# Altium PCB Beethoven-Clock_Brain-PCB.PcbDoc (part 1 of 2)
Units mm, origin at the board's own origin, x right, y up, seen from the top; angles counter-clockwise.
Board outline 45 x 115 mm, 4 copper layers (Top Layer, Mid 1 - GND, Mid 2 - PWR, Bottom Layer), stack 1.612 mm thick; 137 components, 77 nets, 403 pads, 213 vias.
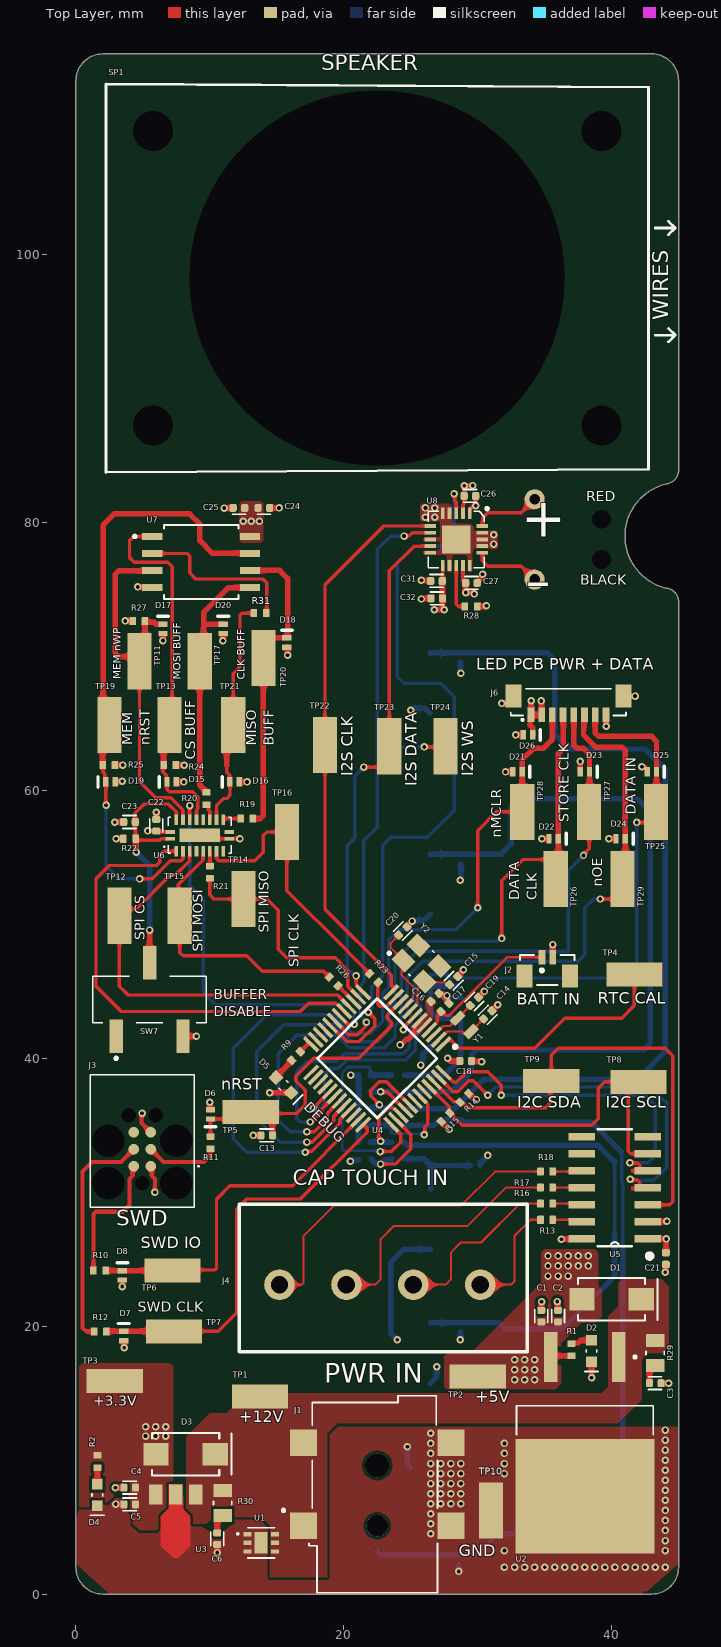
[diagram p0: Top Layer view]
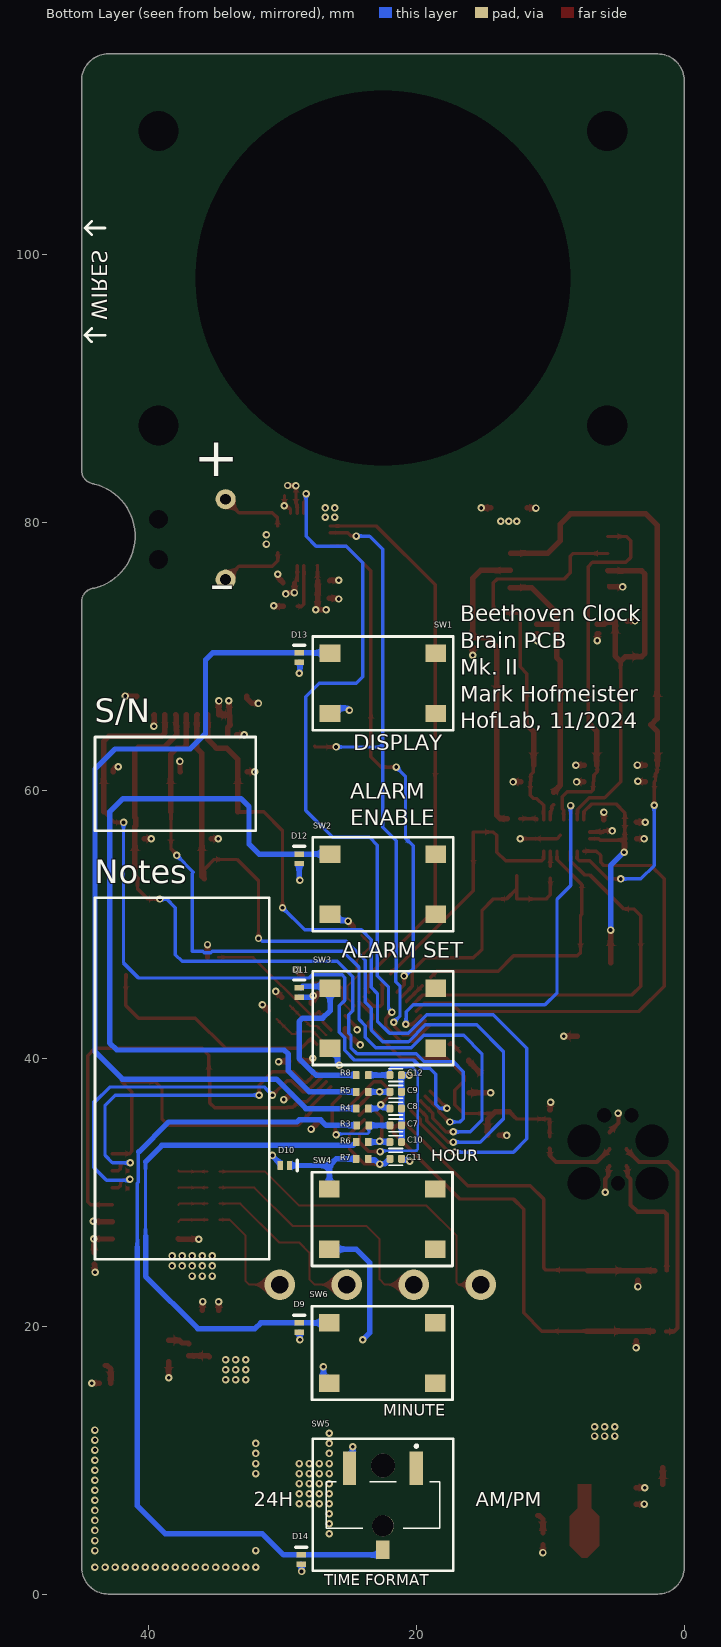
[diagram p1: Bottom Layer view, seen from below]
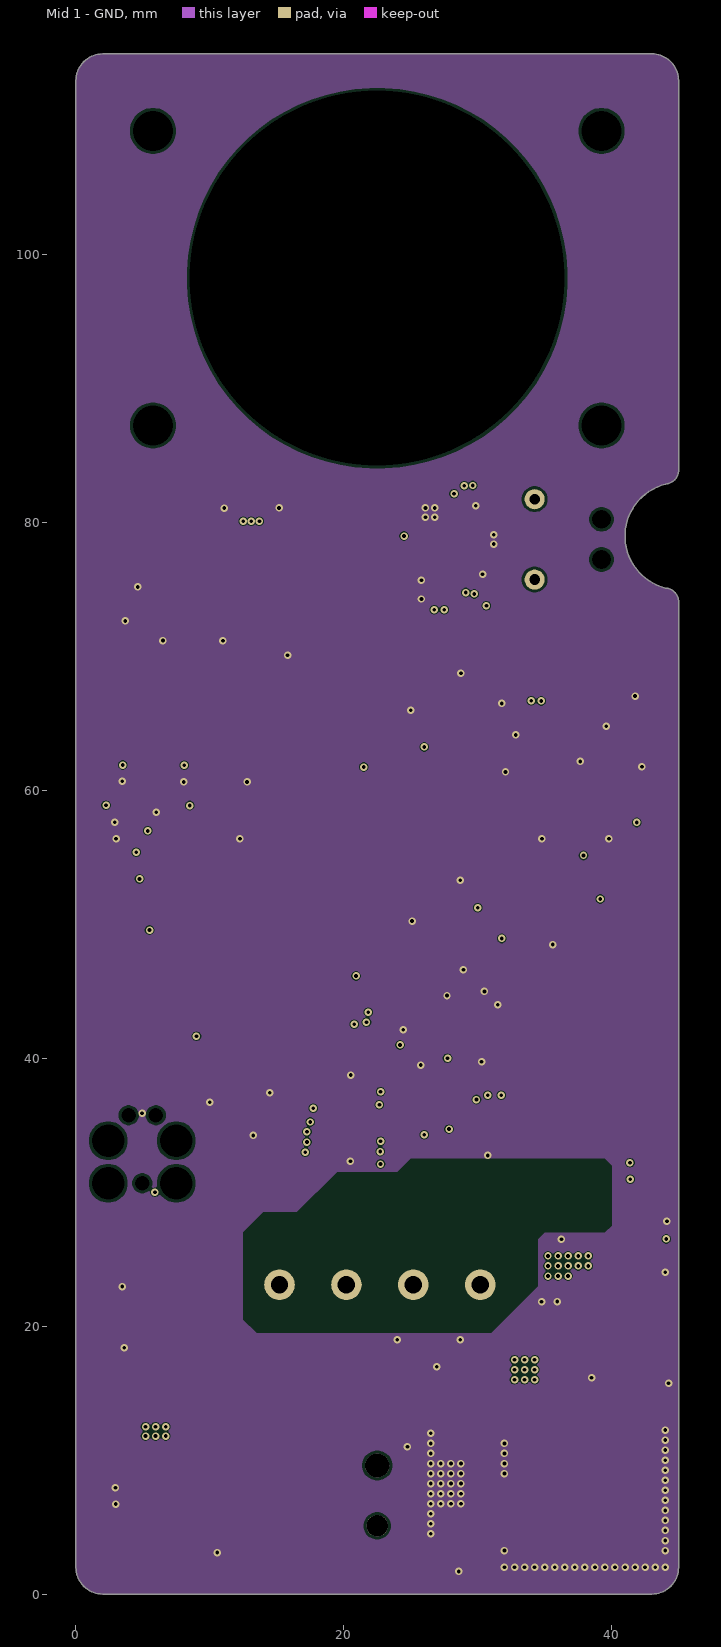
[diagram p2: Mid 1 - GND]
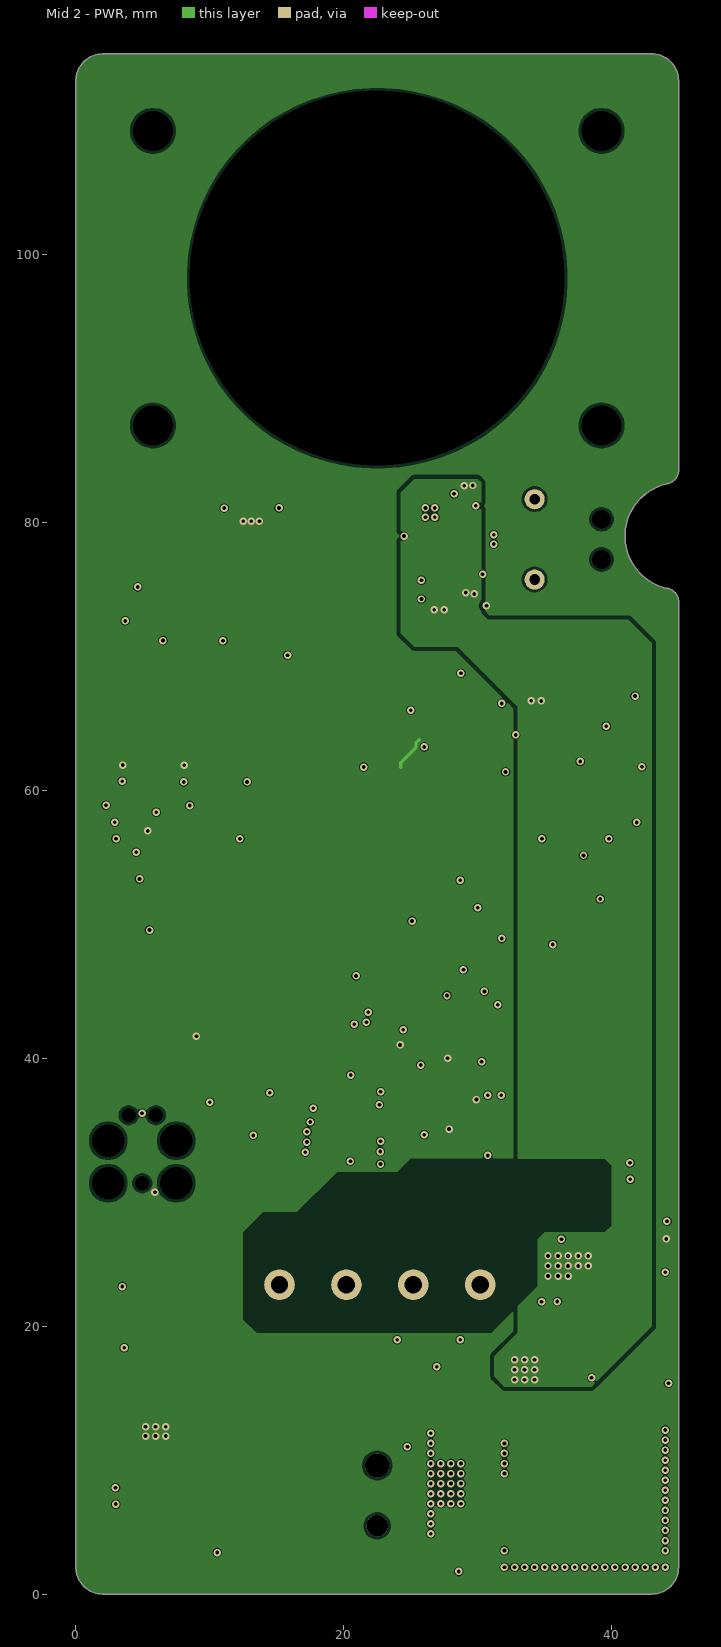
[diagram p3: Mid 2 - PWR]
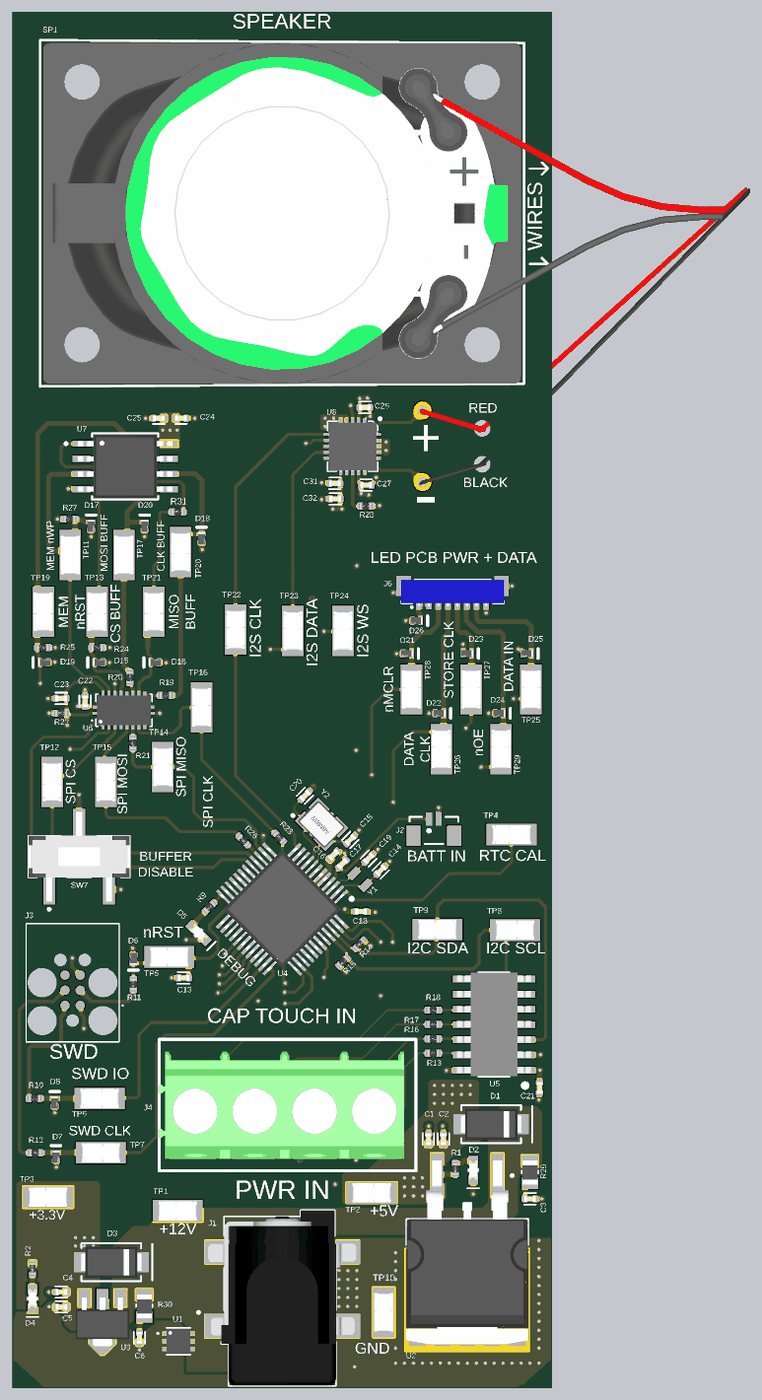
[diagram p5: 3D render of the assembled board from above, using the file's embedded part models]
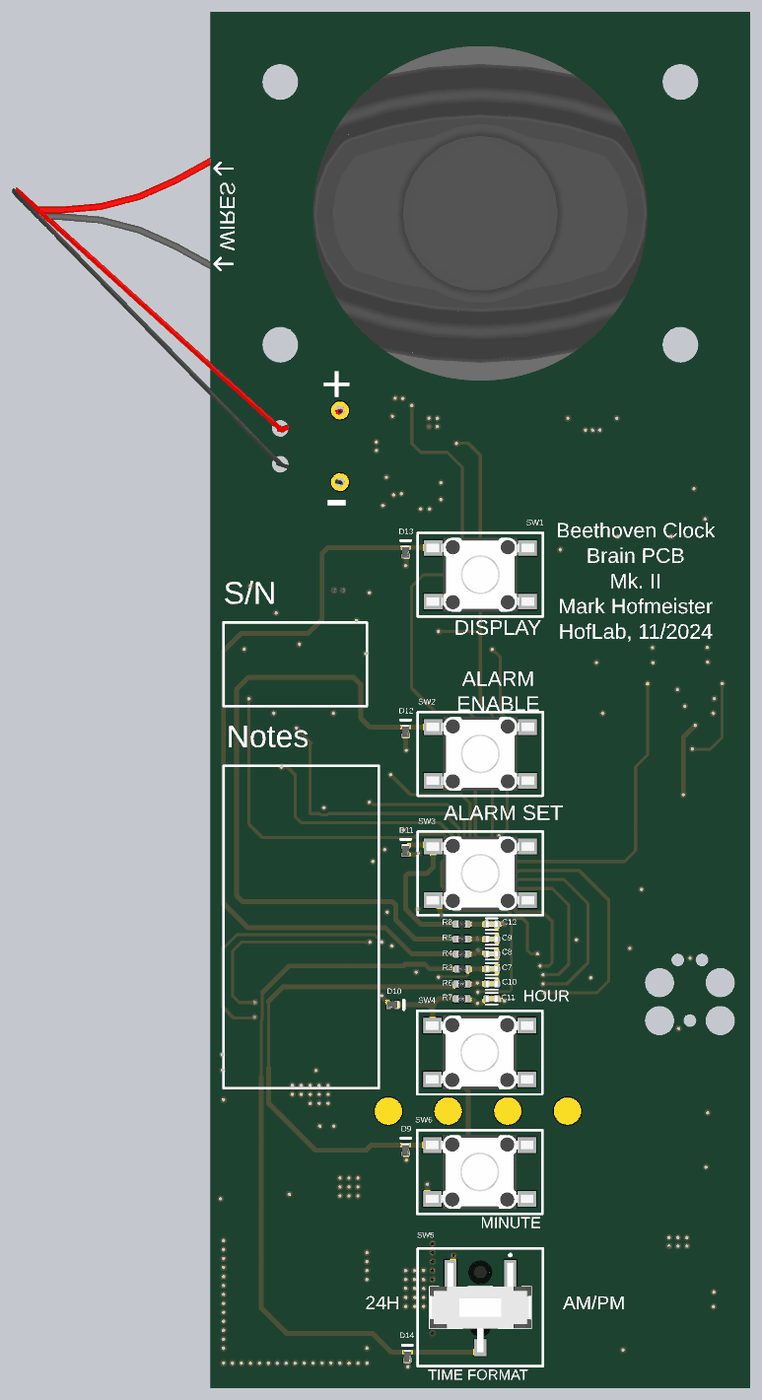
[diagram p6: 3D render of the assembled board from below, using the file's embedded part models]

## Layer stack, top to bottom
Top Solder: solder mask 0.0102, Solder Resist, Dk 3.5
Top Layer: signal copper 0.0356
Dielectric 2: prepreg 0.1855, PP-006, Dk 4.1
Mid 1 - GND: signal copper 0.035
Dielectric 1: dielectric 1.1, FR-4, Dk 4.8
Mid 2 - PWR: signal copper 0.035
Dielectric 3: prepreg 0.1855, PP-006, Dk 4.1
Bottom Layer: signal copper 0.0356
Bottom Solder: solder mask 0.0102, Solder Resist, Dk 3.5

## Board outline
0,2 0,113 cw(c2,113) 2,115 43,115 cw(c43,113) 45,113 45,84 cw(c43.955,83.925) 44.03,82.881 ccw(c45,79) 44.03,75.119 cw(c43.955,74.075) 45,74 45,2 cw(c43,2) 43,0 2,0 cw(c2,2)

## Design rules (kind name [scope] priority, off if disabled: settings)
Clearance Power [InNetClass('PWR') vs InNetClass('PWR')] p1: gap=0.305 ignorepadtopadclearanceinfootprint=FALSE except(0: Arc-Hole Track-Hole SMDPad-Hole THPad-Hole Via-Hole Fill-Hole Poly-Hole Region-Hole Text-Hole)
Clearance [All] p2: gap=0.203 ignorepadtopadclearanceinfootprint=FALSE except(0: Arc-Hole Track-Hole SMDPad-Hole THPad-Hole Via-Hole Fill-Hole Poly-Hole Region-Hole Text-Hole; 0.22: SMDPad-SMDPad)
Height [All] p1 off: minheight=0 maxheight=25.4 prefheight=12.7
HoleSize [All] p1: absolutevalues=TRUE maxlimit=30 minlimit=0.152 maxpercent=80.000 minpercent=20.000
MinimumSolderMaskSliver [All] p1: minsoldermaskwidth=0.1
PolygonConnect "Direct Connect - MCU VCC" [InNet('VCC') vs InComponentClass('U_MCU')] p1: connectstyle=Direct reliefconductorwidth=0.254 reliefentries=4 polygonreliefangle="90 Angle" airgapwidth=0.254
PolygonConnect "Direct Connect - MEM VCC" [InComponentClass('U_flash-memory') vs InNet('VCC')] p2: connectstyle=Direct reliefconductorwidth=0.254 reliefentries=4 polygonreliefangle="90 Angle" airgapwidth=0.254
PolygonConnect "Direct Connect - Amp GND" [InNet('GND') vs HasFootprint('20-WFQFN-EP')] p3: connectstyle=Direct reliefconductorwidth=0.254 reliefentries=4 polygonreliefangle="90 Angle" airgapwidth=0.254
PolygonConnect "Direct Connect - Vias" [All vs IsVia] p4: connectstyle=Direct reliefconductorwidth=0.254 reliefentries=4 polygonreliefangle="90 Angle" airgapwidth=0.254
PolygonConnect "Direct Connect - PWR Section" [InComponentClass('U_3.3V-Regulator') or InComponentClass('U_5V-Regulator') or InComponentClass('U_Power-Input')] p5: connectstyle=Direct reliefconductorwidth=0.254 reliefentries=4 polygonreliefangle="90 Angle" airgapwidth=0.254
PolygonConnect [All] p6: connectstyle=Relief reliefconductorwidth=0.254 reliefentries=4 polygonreliefangle="90 Angle" airgapwidth=0.254
RoomDefinition U_cap-touch [InComponentClass('U_cap-touch')] p1: confinementstyle=ConfineIn formatcopy=TRUE lockcomponents=FALSE outline 11.819,17.719 11.819,29.481 26.145,29.481 26.145,37.055 27.545,37.055 27.545,38.51 32.871,38.51 32.871,39.629 38.129,39.629 38.129,39.579 44.629,39.579 44.629,26.179 44.869,26.179 44.869,23.921 34.081,23.921 34.081,17.719
RoomDefinition U_LED-PCB_Connector [InComponentClass('U_LED-PCB_Connector')] p2: confinementstyle=ConfineIn formatcopy=TRUE lockcomponents=FALSE outline 31.7,50.7 44.7,50.7 44.7,68.3 31.7,68.3
RoomDefinition U_SWD [InComponentClass('U_SWD')] p3: confinementstyle=ConfineIn formatcopy=TRUE lockcomponents=FALSE outline -0.25,27.592 -0.25,40.1 10.158,40.1 10.158,37.329 15.679,37.329 15.679,34.671 10.905,34.671 10.905,34.32 10.879,34.32 10.879,32.476 10.158,32.476 10.158,27.592 9.949,27.592 9.949,18.274 4.425,18.274 4.425,18.223 2.715,18.223 2.715,18.774 0.591,18.774 0.591,23.324 0.536,23.324 0.536,27.592
RoomDefinition U_isolation-buffers [InComponentClass('U_isolation-buffers')] p4: confinementstyle=ConfineIn formatcopy=TRUE lockcomponents=FALSE outline 0.446,39.221 0.446,49.079 1.171,49.079 1.171,67.529 3.421,67.529 3.421,72.279 7.921,72.279 12.671,72.279 12.671,72.529 15.329,72.529 15.329,59.529 17.079,59.529 17.079,54.271 13.829,54.271 13.829,49.271 10.554,49.271 10.554,39.221
RoomDefinition U_Amplifier [InComponentClass('U_Amplifier')] p5: confinementstyle=ConfineIn formatcopy=TRUE lockcomponents=FALSE outline 2.246,74.644 2.246,112.754 61.949,112.754 61.949,74.644 30.729,74.644 30.729,72.921 28.929,72.921 28.929,60.671 22.071,60.671 22.071,60.771 17.271,60.771 17.271,74.644
RoomDefinition U_MCU [InComponentClass('U_MCU')] p6 off: confinementstyle=ConfineIn formatcopy=TRUE lockcomponents=FALSE outline 13.871,36.291 13.871,40.129 14.716,40.129 14.716,47.784 22.33,47.784 22.33,50.093 23.027,50.093 23.027,50.881 25.782,50.881 25.782,50.093 28.793,50.093 28.793,47.784 30.284,47.784 30.284,45.627 31.127,45.627 31.127,44.929 37.551,44.929 37.551,39.579 37.629,39.579 37.629,36.921 30.284,36.921 30.284,32.216 25.229,32.216 25.229,31.671 16.229,31.671 16.229,31.431 13.971,31.431 13.971,36.291
RoomDefinition U_TUI [InComponentClass('U_TUI')] p7: confinementstyle=ConfineIn formatcopy=TRUE lockcomponents=FALSE outline 16.896,39.146 16.896,71.854 28.104,71.854 28.104,71.43 29.605,71.43 29.605,32.855 30.88,32.855 30.88,31.145 29.605,31.145 29.605,18.845 29.455,18.845 29.455,1.52 27.745,1.52 27.745,1.971 17.446,1.971 17.446,14.146 16.946,14.146 16.946,39.146
RoomDefinition U_5V-Regulator [InComponentClass('U_5V-Regulator')] p8: confinementstyle=ConfineIn formatcopy=TRUE lockcomponents=FALSE outline 27.371,14.921 27.371,17.579 32.286,17.579 32.286,20.104 33.931,20.104 33.931,21.879 36.596,21.879 36.596,23.918 43.759,23.918 43.759,19.944 44.469,19.944 44.469,16.056 44.379,16.056 44.379,14.931 43.714,14.931 43.714,2.486 32.286,2.486 32.286,14.921
RoomDefinition U_3.3V-Regulator [InComponentClass('U_3.3V-Regulator')] p9: confinementstyle=ConfineIn formatcopy=TRUE lockcomponents=FALSE outline 0.271,14.571 0.271,17.229 5.529,17.229 5.529,12.368 11.959,12.368 11.959,8.744 12.169,8.744 12.169,4.856 11.369,4.856 11.369,3.001 10.229,3.001 10.229,2.171 4.671,2.171 4.671,5.558 0.671,5.558 0.671,14.571
RoomDefinition U_Power-Input [InComponentClass('U_Power-Input')] p10: confinementstyle=ConfineIn formatcopy=TRUE lockcomponents=FALSE outline 11.121,13.421 11.121,16.079 16.379,16.079 16.379,15.329 29.529,15.329 29.529,8.879 32.329,8.879 32.329,3.621 29.529,3.621 29.529,-0.429 14.796,-0.429 14.796,2.299 11.71,2.299 11.71,13.421
RoomDefinition U_flash-memory [InComponentClass('U_flash-memory')] p11: confinementstyle=ConfineIn formatcopy=TRUE lockcomponents=FALSE outline 1.07,59.795 1.07,61.505 1.226,61.505 1.226,62.729 3.471,62.729 3.471,73.479 3.945,73.479 3.945,80.164 11.041,80.164 11.041,81.919 15.159,81.919 15.159,72.555 16.605,72.555 16.605,69.995 12.905,69.995 12.905,59.795 10.345,59.795
RoutingVias [All] p1: holewidth=0.279 width=0.559 viastyle="Through Hole" minholewidth=0.203 minwidth=0.406 maxholewidth=0.711 maxwidth=1.27
SilkToSolderMaskClearance [IsPad] p1: minsilkscreentomaskgap=0.1 clearancetoexposedcopper=TRUE
SolderMaskExpansion Vias [IsVia] p1: expansion=0.102 istentingtop=TRUE useseparateexpansions=TRUE expansionbottom=0.102 istentingbottom=TRUE
SolderMaskExpansion Expansion [All] p2: expansion=0.102 istentingtop=FALSE
UnRoutedNet [All] p1: checkbadconnections=TRUE
Width [All] p1: maxlimit=0.407 minlimit=0.152 preferedwidth=0.254 midlayer1_minwidth=0.254 midlayer1_maxwidth=0.254 midlayer2_minwidth=0.254 midlayer2_maxwidth=0.254 minimp=50.000000 maximp=50.000000 favimp=50.000000
25 further rules are at their usual default settings.

## Classes and differential pairs
net class PWR: +5 +12 VCC
component class U_TUI: D9 D10 D11 D12 D13 D14 SW1 SW2 SW3 SW4 SW5 SW6
component class U_SWD: D6 D7 D8 J3 R10 R11 R12 TP5 TP6 TP7
component class U_Power-Input: J1 TP1 TP10 U1
component class U_MCU: C7 C8 C9 C10 C11 C12 C13 C14 C15 C16 C17 C18 C19 C20 D5 J2 R3 R4 R5 R6 R7 R8 R9 R23 R26 TP4 U4 Y1 Y2
component class U_LED-PCB_Connector: D21 D22 D23 D24 D25 D26 J6 TP25 TP26 TP27 TP28 TP29
component class U_isolation-buffers: C22 C23 R19 R20 R21 R22 SW7 TP11 TP12 TP13 TP14 TP15 TP16 TP17 TP19 TP20 TP21 U6
component class U_flash-memory: C24 C25 D15 D16 D17 D18 D19 D20 R24 R25 R27 R31 U7
component class U_cap-touch: C21 J4 R13 R14 R15 R16 R17 R18 TP8 TP9 U5
component class U_Amplifier: C26 C27 C31 C32 R28 SP1 TP22 TP23 TP24 U8
component class U_5V-Regulator: C1 C2 C3 D1 D2 R1 R29 TP2 U2
component class U_3.3V-Regulator: C4 C5 C6 D3 D4 R2 R30 TP3 U3

## Components (designator, comment, footprint, x,y, rotation, side; value= is the part's Value field where it differs from the comment)
C1 "CAP" 0402C 34.75,20.75 r270 top value=1uF
C2 "CAP" 0402C 36,20.75 r270 top value=1uF
C3 "CAP" 0402C 43.25,15.75 r180 top value=1uF
C4 "CAP" 0402C 4.02,7.95 r0 top value=1uF
C5 "CAP" 0402C 4.02,6.7 r0 top value=1uF
C6 "CAP" 0402C 10.55,4.13 r90 top value=1uF
C7 "CAP" 0402C 21.545,35 r0 bottom value=0.1uF
C8 "CAP" 0402C 21.545,36.25 r0 bottom value=0.1uF
C9 "CAP" 0402C 21.545,37.5 r0 bottom value=0.1uF
C10 "CAP" 0402C 21.545,33.75 r0 bottom value=0.1uF
C11 "CAP" 0402C 21.545,32.5 r0 bottom value=0.1uF
C12 "CAP" 0402C 21.545,38.75 r0 bottom value=0.1uF
C13 "CAP" 0402C 14.25,34.25 r0 top value=0.1uF
C14 "CAP" 0402C 30.75,43.25 r225 top value=4pF
C15 "CAP" 0402C 28.204,45.804 r225 top value=4pF
C16 "CAP" 0402C 26.804,44.554 r225 top value=0.1uF
C17 "CAP" 0402C 27.554,43.804 r225 top value=0.1uF
C18 "CAP" 0402C 29.1,39.8 r180 top value=4.7uF
C19 "CAP" 0402C 29.75,44.25 r225 top value=4pF
C20 "CAP" 0402C 24.404,49.504 r225 top value=4pF
C21 "CAP" 0402C 44.05,25.05 r90 top value=0.1uF
C22 "CAP" 0402C 6,57.4 r90 top value=0.1uF
C23 "CAP" 0402C 4,57.65 r0 top value=0.1uF
C24 "CAP" 0402C 14.03,81.1 r180 top value=0.1uF
C25 "CAP" 0402C 12.17,81.1 r0 top value=4.7uF
C26 "CAP" 0402C 29.42,82 r180 top value=0.1uF
C27 "CAP" 0402C 29.53,75.5 r180 top value=4.7uF
C31 "CAP" 0402C 26.92,75.65 r0 top value=0.1uF
C32 "CAP" 0402C 26.95,74.35 r0 top value=4.7uF
D1 "DIODE" DO-214AC 40,22 r180 top
D2 "LED - single" "LED - 0603" 38.5,18.15 r270 top
D3 "DIODE" DO-214AC 8.2,10.45 r180 top
D4 "LED - single" "LED - 0603" 1.6,7.4 r270 top
D5 "LED - single" "LED - 0603" 15.5,38 r315 top
D6 "DESD3V3E1BL-7B" 0402-TVS 10.05,35.5 r90 top
D7 "DESD3V3E1BL-7B" 0402-TVS 3.57,19.603 r270 top
D8 "DESD3V3E1BL-7B" 0402-TVS 3.47,24.128 r270 top
D9 "DESD3V3E1BL-7B" 0402-TVS 28.75,20.225 r270 bottom
D10 "DESD3V3E1BL-7B" 0402-TVS 29.5,32 r0 bottom
D11 "DESD3V3E1BL-7B" 0402-TVS 28.75,45.25 r270 bottom
D12 "DESD3V3E1BL-7B" 0402-TVS 28.75,55.225 r270 bottom
D13 "DESD3V3E1BL-7B" 0402-TVS 28.75,70.25 r270 bottom
D14 "DESD3V3E1BL-7B" 0402-TVS 28.6,2.9 r270 bottom
D15 "DESD3V3E1BL-7B" 0402-TVS 6.825,60.65 r0 top
D16 "DESD3V3E1BL-7B" 0402-TVS 11.525,60.65 r0 top
D17 "DESD3V3E1BL-7B" 0402-TVS 6.5,72.4 r270 top
D18 "DESD3V3E1BL-7B" 0402-TVS 15.75,71.375 r270 top
D19 "DESD3V3E1BL-7B" 0402-TVS 2.25,60.65 r0 top
D20 "DESD3V3E1BL-7B" 0402-TVS 11,72.4 r270 top
D21 "DESD3V3E1BL-7B" 0402-TVS 33.3,61.4 r180 top
D22 "DESD3V3E1BL-7B" 0402-TVS 36,56.4 r180 top
D23 "DESD3V3E1BL-7B" 0402-TVS 38.325,61.4 r180 top
D24 "DESD3V3E1BL-7B" 0402-TVS 41,56.4 r180 top
D25 "DESD3V3E1BL-7B" 0402-TVS 43.325,61.4 r180 top
D26 "DESD5V0U1BL-7B" 0402-TVS 34.075,64.15 r180 top
J1 "54-00165" TENSILITY_54-00165 22.5,7.35 r0 top locked
J2 "BM02B-SURS-TF" BM02B-SURS-TF 35.2,46.6 r0 top
J3 "TC2030-IDC" "TAG CONNECT TC2030IDC - NO 3D MODEL" 4.954,32.896 r90 top value=DNS
J4 "1935187" 1935187 22.7,23.1 r180 top locked
J6 "BM08B-SURS-TF" JST_BM08B-SURS-TF(LF)(SN) 36.775,66.35 r0 top
R1 "RES" 0402R 37,18.25 r270 top value=1k
R2 "RES" 0402R 1.6,9.9 r90 top value=1k
R3 "RES" 0402R 24,35 r0 bottom value=1k
R4 "RES" 0402R 24.045,36.25 r0 bottom value=1k
R5 "RES" 0402R 24.045,37.5 r0 bottom value=1k
R6 "RES" 0402R 24.045,33.75 r0 bottom value=1k
R7 "RES" 0402R 24.045,32.5 r0 bottom value=1k
R8 "RES" 0402R 24.045,38.75 r0 bottom value=1k
R9 "RES" 0402R 16.428,40.178 r225 top value=1k
R10 "RES" 0402R 1.765,24.153 r180 top value=47
R11 "RES" 0402R 10.05,33.705 r90 top value=47
R12 "RES" 0402R 1.82,19.603 r180 top value=47
R13 "RES" 0402R 35.145,27.95 r0 top value=4.7k
R14 "RES" 0402R 29,37.055 r45 top value=4.7k
R15 "RES" 0402R 27.6,35.6 r225 top value=4.7k
R16 "RES" 0402R 35.145,29.15 r0 top value=4.7k
R17 "RES" 0402R 35.145,30.35 r0 top value=4.7k
R18 "RES" 0402R 35.145,31.55 r0 top value=4.7k
R19 "RES" 0402R 12.75,57.9 r180 top value=47
R20 "RES" 0402R 9.75,59.4 r270 top value=47
R21 "RES" 0402R 10,53.9 r90 top value=47
R22 "RES" 0402R 4,56.4 r0 top value=4.7k
R23 "RES" 0402R 22.25,46 r315 top value=47
R24 "RES" 0402R 7,61.9 r0 top value=4.7k
R25 "RES" 0402R 2.455,61.9 r0 top value=4.7k
R26 "RES" 0402R 19.25,45.75 r135 top value=47
R27 "RES" 0402R 4.7,72.65 r180 top value=4.7k
R28 "RES" 0402R 29.5,73.75 r0 top value=100k
R29 "RES" 0805R 43.25,18 r90 top value=5.1
R30 "RES" 0805R 10.95,6.8 r90 top value=5.1
R31 "RES" 0402R 13.75,73.25 r0 top value=47
SP1 "AS07104PO-LW152-R" 26AWG_AS04004PO-2-LW152-R_SideMount 22.5,98.25 r0 top locked
SW1 "SPDT PUSH BUTTON SWITCH" 430152080826 22.5,68 r270 bottom
SW2 "SPDT PUSH BUTTON SWITCH" 430152080826 22.5,53 r270 bottom
SW3 "SPDT PUSH BUTTON SWITCH" 430152080826 22.5,43 r270 bottom
SW4 "SPDT PUSH BUTTON SWITCH" 430152080826 22.55,28 r270 bottom
SW5 "SPDT SLIDE SWITCH" JS102011SCQN#1 22.5,6.65 r0 bottom
SW6 "SPDT PUSH BUTTON SWITCH" 430152080826 22.55,18 r270 bottom
SW7 "SPDT SLIDE SWITCH" JS102011SCQN#2 5.5,44.4 r0 top
TP1 "RCWCTE" RCWCTE 13.75,14.75 r180 top
TP2 "RCWCTE" RCWCTE 30,16.25 r0 top
TP3 "RCWCTE" RCWCTE 2.9,15.9 r180 top
TP4 "RCWCTE" RCWCTE 41.7,46.25 r180 top
TP5 "RCWCTE" RCWCTE 13.05,36 r180 top
TP6 "RCWCTE" RCWCTE 7.22,24.153 r0 top
TP7 "RCWCTE" RCWCTE 7.32,19.603 r0 top
TP8 "RCWCTE" RCWCTE 42,38.25 r0 top
TP9 "RCWCTE" RCWCTE 35.5,38.3 r180 top
TP10 "RCWCTE" RCWCTE 31,6.25 r90 top
TP11 "RCWCTE" RCWCTE 4.75,69.65 r270 top
TP12 "RCWCTE" RCWCTE 3.25,50.65 r270 top
TP13 "RCWCTE" RCWCTE 7,64.9 r270 top
TP14 "RCWCTE" RCWCTE 12.5,51.9 r90 top
TP15 "RCWCTE" RCWCTE 7.75,50.65 r90 top
TP16 "RCWCTE" RCWCTE 15.75,56.9 r90 top
TP17 "RCWCTE" RCWCTE 9.25,69.65 r270 top
TP19 "RCWCTE" RCWCTE 2.5,64.9 r270 top
TP20 "RCWCTE" RCWCTE 14,69.9 r270 top
TP21 "RCWCTE" RCWCTE 11.75,64.9 r270 top
TP22 "RCWCTE" RCWCTE 18.6,63.4 r90 top
TP23 "RCWCTE" RCWCTE 23.4,63.3 r90 top
TP24 "RCWCTE" RCWCTE 27.6,63.3 r90 top
TP25 "RCWCTE" RCWCTE 43.325,58.4 r90 top
TP26 "RCWCTE" RCWCTE 35.825,53.4 r90 top
TP27 "RCWCTE" RCWCTE 38.325,58.4 r90 top
TP28 "RCWCTE" RCWCTE 33.325,58.4 r90 top
TP29 "RCWCTE" RCWCTE 40.825,53.4 r90 top
U1 "TVS1400DRVR" 6-WDFN-EP 13.823,3.828 r0 top
U2 "L7805CD2T-TR" D2PAK 38,12.5 r270 top locked
U3 "AP2205-33Y-13" SOT-89-3 7.45,5.45 r180 top
U4 "STM32G031C8T6" 48-LQFP 22.5,40 r225 top
U5 "AT42QT1070-SSU" 14-SOIC 40.236,30.34 r180 top
U6 "74LVC244ABQ_115" 20-VFQN-EP 9.25,56.65 r0 top
U7 "WINBOND NOR FLASH MEM" 8-SOIC 9.355,77.065 r0 top
U8 "NAU8315YG" 20-WFQFN-EP 28.4,78.75 r270 top
Y1 "32.768 kHz" ECS-.327-7-12R-TR 29,42.5 r315 top
Y2 "16MHz" 4-SMD_NL 25.8,47.1 r45 top

## Footprints (in the part's own frame and the unit in brackets; to place one, negate y for a bottom-side part, rotate by r counter-clockwise, add the part's x,y. Pads: shape width x height; smd on the part's side, far side on the other; paste and mask are expansions set on the pad)
4-SMD_NL [mm]
  rect 1.15x1.4 smd: 1(-0.8,1.1) 2(-0.8,-1.1) 3(0.8,-1.1) 4(0.8,1.1)
  silkscreen extent -1.27,-0.08 1.25,2.33, body extent -1.25,-1.6 1.25,1.6, height 0.75
6-WDFN-EP [mm]
  rect 0.6x0.32 smd mask+0.038: 1(-1.025,0.65) 2(-1.025,0) 3(-1.025,-0.65) 4(1.025,-0.65) 5(1.025,0) 6(1.025,0.65)
  rect 1x1.6 smd paste-2 mask+0.038: PAD(0,0)
  silkscreen extent -1.78,-1.13 1,1.13, body extent -1,-1 1,1, height 0.8
8-SOIC [mil]
  rect 60x21 smd paste+0: 1(-143.5,75) 2(-143.5,25) 3(-143.5,-25) 4(-143.5,-75) 5(143.5,-75) 6(143.5,-25) 7(143.5,25) 8(143.5,75)
  silkscreen extent -198,-109 109,109, body extent -156,-104 156,104, height 85
14-SOIC [mil]
  rect 78x22 smd: 1(-97,150) 2(-97,100) 3(-97,50) 4(-97,0) 5(-97,-50) 6(-97,-100) 7(-97,-150) 8(97,-150) 9(97,-100) 10(97,-50) 11(97,0) 12(97,50) 13(97,100) 14(97,150)
  silkscreen extent -106,-172 51,205, body extent -122,-171 122,169, height 69
20-VFQN-EP [mm]
  rect 0.7x0.28 smd mask+0.051: 1(-2.2,-0.25) 10(2.2,-0.25) 11(2.2,0.25) 20(-2.2,0.25)
  rect 0.28x0.8 smd mask+0.051: 2(-1.75,-1.175) 3(-1.25,-1.175) 4(-0.75,-1.175) 5(-0.25,-1.175) 6(0.25,-1.175) 7(0.75,-1.175) 8(1.25,-1.175) 9(1.75,-1.175) 12(1.75,1.175) 13(1.25,1.175) 14(0.75,1.175) 15(0.25,1.175) 16(-0.25,1.175) 17(-0.75,1.175) 18(-1.25,1.175) 19(-1.75,1.175)
  rect 3x1 smd mask+0.051: 21(0,0)
  silkscreen extent -2.7,-1.35 2.35,1.35, body extent -2.25,-1.25 2.25,1.25, height 1
20-WFQFN-EP [mm]
  rect 0.85x0.28 smd mask+0.051: 1(-1.95,1) 2(-1.95,0.5) 3(-1.95,0) 4(-1.95,-0.5) 5(-1.95,-1) 11(1.95,-1) 12(1.95,-0.5) 13(1.95,0) 14(1.95,0.5) 15(1.95,1)
  rect 0.28x0.85 smd mask+0.051: 6(-1,-1.95) 7(-0.5,-1.95) 8(0,-1.95) 9(0.5,-1.95) 10(1,-1.95) 16(1,1.95) 17(0.5,1.95) 18(0,1.95) 19(-0.5,1.95) 20(-1,1.95)
  rect 2.1x2.1 smd mask+0.051: 21(0,0)
  silkscreen extent -2.38,-2.1 2.1,2.38, body extent -2.05,-2.05 2.05,2.05, height 0.8
26AWG_AS04004PO-2-LW152-R_SideMount [mm]
  round 0 hole 3 unplated: 1(-16.75,-11) 1(-16.75,11) 1(16.75,-11) 1(16.75,11)
  round 0 hole 28 unplated: 1(0,0)
  round 0 hole 1.4 unplated: H(16.75,-21) H(16.75,-18)
  round 1.5 hole 0.8: N(11.75,-22.5) P(11.75,-16.5)
  body extent -20,-22.72 39.2,14.25, height 11.7
48-LQFP [mm]
  rect 1.475x0.28 smd mask+0.03: 1(-4.238,2.75) 2(-4.238,2.25) 3(-4.238,1.75) 4(-4.238,1.25) 5(-4.238,0.75) 6(-4.238,0.25) 7(-4.238,-0.25) 8(-4.238,-0.75) 9(-4.238,-1.25) 10(-4.238,-1.75) 11(-4.238,-2.25) 12(-4.238,-2.75) 25(4.238,-2.75) 26(4.238,-2.25) 27(4.238,-1.75) 28(4.238,-1.25) 29(4.238,-0.75) 30(4.238,-0.25) 31(4.238,0.25) 32(4.238,0.75) 33(4.238,1.25) 34(4.238,1.75) 35(4.238,2.25) 36(4.238,2.75)
  rect 0.28x1.475 smd mask+0.03: 13(-2.75,-4.238) 14(-2.25,-4.238) 15(-1.75,-4.238) 16(-1.25,-4.238) 17(-0.75,-4.238) 18(-0.25,-4.238) 19(0.25,-4.238) 20(0.75,-4.238) 21(1.25,-4.238) 22(1.75,-4.238) 23(2.25,-4.238) 24(2.75,-4.238) 37(2.75,4.238) 38(2.25,4.238) 39(1.75,4.238) 40(1.25,4.238) 41(0.75,4.238) 42(0.25,4.238) 43(-0.25,4.238) 44(-0.75,4.238) 45(-1.25,4.238) 46(-1.75,4.238) 47(-2.25,4.238) 48(-2.75,4.238)
  silkscreen extent -4.85,-3.15 3.15,3.62, body extent -4.5,-4.5 4.5,4.5, height 1.6
0402-TVS [mm]
  rect 0.4x0.7 smd mask+0.076: 1(-0.025,0) 2(0.675,0)
  silkscreen extent -0.6,-0.4 -0.6,0.4, body extent -0.18,-0.3 0.82,0.3, height 0.53
0402C [mm] "0402 SMT Capacitor"
  rrect53% 0.54x0.6 smd: 1(-0.43,0) 2(0.43,0)
  silkscreen extent -0.5,-0.48 0.5,0.48, body extent -0.5,-0.25 0.5,0.25, height 0.5
0402R [mm] "0402 SMT Resistor"
  rrect20% 0.49x0.6 smd: 1(-0.455,0) 2(0.455,0)
  body extent -0.75,-0.25 0.75,0.25, height 0.35
0805R [mm]
  rect 0.97x1.38 smd: 1(-0.93,0) 2(0.93,0)
  silkscreen extent -0.12,-0.68 0.12,0.68, body extent -1.05,-0.64 0.95,0.62, height 0.65
1935187 [mm]
  round 2.286 hole 1.3: 1(-7.5,0) 2(-2.5,0) 3(2.5,0) 4(7.5,0)
  silkscreen extent -11,-6 10.5,5, body extent -10.01,-4.99 10.56,4.01, height 11.44
430152080826 [mm]
  rect 1.3x1.55 smd: 1(-2.25,-3.95) 2(2.25,-3.95) 3(-2.25,3.95) 4(2.25,3.95)
  silkscreen extent -3.5,-5.25 3.5,5.25, body extent -3.1,-4.5 3.1,4.5, height 9.5
BM02B-SURS-TF [mil]
  rect 20x43 smd mask+1.97: 1(-15.75,37.31) 2(15.75,37.31)
  rect 47x67 smd: 3(-66.93,-17.81) 4(66.93,-17.81)
  silkscreen extent -80,-44 80,44, body extent -75,-39 75,39, height 106
D2PAK [mm]
  rect 3.74x1.02 smd: 1(-5.205,2.54) 3(-5.205,-2.54)
  rect 8.56x10.37 smd paste-6: 2(5.205,0)
  silkscreen extent -5.3,-5.1 0.61,5.1, body extent -6.51,-5.1 8.92,5.1, height 4.6
DO-214AC [mil]
  rect 74x66 smd paste+0 mask+0: A(87,0) K(-87,0)
  silkscreen extent -135,-63 99,63, body extent -102,-51 102,51, height 96
ECS-.327-7-12R-TR [mm]
  rect 0.6x1.1 smd: 1(-0.7,0) 2(0.7,0)
  body extent -1,-0.55 1,0.55, height 0.6
JS102011SCQN#1 [mm]
  rect 1x2.5 smd: 1(-2.5,-2.75) 3(2.5,-2.75)
  rect 1x1.39 smd: 2(0,3.35)
  silkscreen extent -4.25,-4.5 4.25,1.75, body extent -4.25,-3.75 4.25,3.75, height 5.52
JS102011SCQN#2 [mm]
  rect 1x2.5 smd: 1(-2.5,-2.75) 2(0,2.75) 3(2.5,-2.75)
  silkscreen extent -4.25,-4.5 4.25,1.75, body extent -4.25,-3.75 4.25,3.75, height 5.52
JST_BM08B-SURS-TF(LF)(SN) [mm]
  rect 0.5x1.1 smd mask+0.05: 1(-2.8,-0.7) 2(-2,-0.7) 3(-1.2,-0.7) 4(-0.4,-0.7) 5(0.4,-0.7) 6(1.2,-0.7) 7(2,-0.7) 8(2.8,-0.7)
  rect 1.2x1.7 smd mask+0.05: SH(-4.1,0.7) SH(4.1,0.7)
  silkscreen extent -4.3,-1.12 4.3,1.25, body extent -4.3,-1 4.3,1.25, height 2.75
"LED - 0603" [mm]
  rect 0.8x0.8 smd: 1(-0.8,0) 2(0.8,0)
  silkscreen extent -0.08,-0.51 1.52,0.51, body extent -0.8,-0.35 0.8,0.35, height 0.7
RCWCTE [mm]
  rect 4.2x1.8 smd: 1(0,0)
  body extent -1.6,-0.8 1.6,0.8, height 2.01
SOT-89-3 [mm]
  rect 1x1.5 smd: 1(-1.5,-2) 3(1.5,-2)
  rect 1x1.5 smd paste-2: 2(0,-2)
  Top Layer region: 1.1,1.85 1.1,-0.35 0.5,-0.95 0.5,-2.75 -0.5,-2.75 -0.5,-0.95 -1.1,-0.35 -1.1,1.85 -0.2,2.75 0.2,2.75
  body extent -2.25,-2.05 2.25,2.05, height 1.6
"TAG CONNECT TC2030IDC - NO 3D MODEL" [mil]
  round 30.83 smd: 1(-37.52,-25) 2(-37.52,25) 3(12.48,-25) 4(12.48,25) 5(62.52,-25) 6(62.52,25)
  round 48.25 hole 96.5 unplated: 7(-87.52,-100) 9(-87.52,100) 10(37.48,-100) 11(37.48,100)
  round 21 hole 42.01 unplated: 8(-87.52,0) 12(112.48,-40) 13(112.48,40)
  silkscreen extent -157,-167 232,154
TENSILITY_54-00165 [mm]
  rect 2x2 smd mask+0.05: 1(-5.5,-2.25) 1(-5.5,3.95) 2(5.5,-2.25) 3(5.5,3.95)
  round 1.6 hole 1.6 unplated: ""(0,-2.25)
  round 1.8 hole 1.8 unplated: ""(0,2.25)
  silkscreen extent -7.1,-7.25 4.5,7.45, body extent -6.2,-7.25 6.2,7.45, height 11

## Part data
C1 C2 C3 C4 C5 C6: "Capacitor", MFR="Murata Electronics", MFR PN=GRM155R61E105MA12D, Type=SMD
C7 C8 C9 C10 C11 C12 C13 C16 C17 C21 C22 C23 C24 C26 C31: "Capacitor", MFR="Murata Electronics", MFR PN=GRM155R71C104KA88J, Type=SMD
C14 C15 C19 C20: "Capacitor", MFR=YAGEO, MFR PN=CC0402CRNPO9BN4R0, Type=SMD
C18 C25 C27 C32: "Capacitor", MFR="Murata Electronics", MFR PN=GRM155D81C475ME15J, Type=SMD
D1 D3: "DIODE GEN PURP", MFR="Micro Commercial Co", MFR PN=GS1M-LTP, Type=SMD
D2 D4 D5: "LED", Color=Green, MFR=Dialight, MFR PN=5988070107F, Type=SMD
D6 D7 D8 D9 D10 D11 D12 D13 D14 D15 D16 D17 D18 D19 D20 D21 D22 D23 D24 D25: library part "TVS Diode 3.3V Bi", "TVS DIODE 3.3VWM 7VC DFN1006-2", MFR="Diodes Incorporated", MFR PN=DESD3V3E1BL-7B, Type=SMD, VBR=3.8V, VC=7V, VRS=3.3V
D26: library part "TVS Diode 5V Bi", "TVS DIODE 5VWM 7.2VC DFN1006-2", MFR="Diodes Incorporated", MFR PN=DESD5V0U1BL-7B, Type=SMD, VBR=5.5V, VC=7.2V, VRS=5V
J1: library part "BARREL JACK 2.5MM ID 5.5MM OD", "Connector, dc jack 5.5x2.5 mm, PCB mount, 90 degrees, silver plated, PA9T, SMT", MFR="Tensility International Corp", MFR PN=54-00165, Type=SMD
J2: library part "CONN 2POS 0.8MM PITCH", "CONN HEADER SMD 2POS 0.8MM", MFR=JST, MFR PN=BM02B-SURS-TF, Type=SMD
J3: "\"Plug of Nails\" POGO Pin connector", MFR=Tag-Connect, MFR PN=TC2030-IDC-NL
J4: library part "SCREW CONN 4 POS", "Fixed Terminal Blocks PT 1.5/4-5.0-H", MFR="Phoenix Contact", MFR PN=1935187, Type=TH
J6: library part "CONN 8POS 0.8MM PITCH", "CONN HEADER SMD 8POS 0.8MM", MFR=JST, MFR PN=BM08B-SURS-TF, Type=SMD
R1 R2 R3 R4 R5 R6 R7 R8 R9: "Resistor", MFR=YAGEO, MFR PN=RC0402JR-071KL, Type=SMD
R10 R11 R12 R19 R20 R21 R23 R26 R31: "Resistor", MFR=YAGEO, MFR PN=RC0402FR-0747RL, Type=SMD
R13 R14 R15 R16 R17 R18 R22 R24 R25 R27: "Resistor", MFR=YAGEO, MFR PN=AC0402FR-134K7L, Type=SMD
R28: "Resistor", MFR=YAGEO, MFR PN=RC0402FR-07100KL, Tolerance="+/- 5%", Type=SMD
R29 R30: "Resistor", MFR="Rohm Semiconductor", MFR PN=ESR10EZPJ5R1, Type=SMD
SP1: library part "SPEAKER 4OHM 3W", "SPEAKER 4OHM 3W TOP PORT 86DB", MFR="PUI Audio, Inc.", MFR PN=AS04004PO-2-LW152-R, Power Rating=3W, Type=TH
SW1 SW2 SW3 SW4 SW6: "SWITCH TACTILE SPST-NO 0.05A 12V", MFR="Würth Elektronik", MFR PN=430152095826, Type=SMD
SW5 SW7: MFR=C&K, MFR PN=JS102011SCQN, Type=SMD
TP1 TP2 TP3 TP4 TP5 TP6 TP7 TP8 TP9 TP10 TP11 TP12 TP13 TP14 TP15 TP16 TP17 TP19 TP20 TP21 TP22 TP23 TP24 TP25 TP26 TP27 TP28 TP29: library part "TEST POINT", "Test Point, Surface Mount", MFR="KOA Speer Electronics, Inc.", MFR PN=RCWCTE, Type=SMD
U1: "UNIDIR  PRECISION SURGE DIODE", MFR="Texas Instruments", MFR PN=TVS1400DRVR, Type=SMD
U2: library part "LIN REG 5V 1.5A 35V", "Linear Voltage Regulator IC Positive Fixed 1 Output 1.5A D2PAK", MFR=STMicroelectronics, MFR PN=L7805CD2T-TR, Type=SMD
U3: library part "LIN REG 3.3V 250mA 24V", "IC REG LINEAR 3.3V 250MA SOT89-3", MFR="Diodes Incorporated", MFR PN=AP2205-33Y-13, Type=SMD
U4: "ARM® Cortex®-M0+ STM32G0 Microcontroller IC 32-Bit Single-Core 64MHz 64KB (64K x 8) FLASH 48-LQFP (7x7)", MFR=STMicroelectronics, MFR PN=STM32G031C8T6, Type=SMD
U5: "Capacitive Touch Buttons 14-SOIC", MFR=Microchip, MFR PN=AT42QT1070-SSU, Type=SMD
U6: library part "TRI-STATE BUFFERS 8 CIRC", "NXP 74LVC244ABQ,115 Octal Buffer & Line Driver, 3-State, 1.2  3.6 V, 20-Pin DHVQFN", MFR=Nexperia, MFR PN=74LVC244ABQ,115, Type=SMD
U7: "FLASH - NOR Memory IC SPI", MFR=Winbond, MFR PN=W25Q128JVSIM, Type=SMD
U8: library part "I2S 3W AMP", "I2S MONO 3.2W CLASS-D AMPLIFIER", MFR=Nuvoton, Power Rating=3.2W, MFR PN=NAU8315YG, Type=SMD
Y1: library part "32.768 kHz XTAL", "SMD Tuning Fork Crystal", MFR="ECS Inc.", MFR PN=ECS-.327-7-12R-TR, Frequency="32.768 kHz", Type=SMD
Y2: library part "16 MHz XTAL", "CRYSTAL 16.0000MHZ 9PF SMD", MFR=EPSON, MFR PN="TSX-3225 16.0000MF09Z-AC0", Frequency=16MHz, Type=SMD

## Via types
v1: diameter 0.559, hole 0.279, Top Layer to Bottom Layer, tented both sides, 213 vias

## Nets (pads, with @x,y where several pads share a name; then routed paths per layer and width w, separated by ;. In a path a pad name is that pad's centre, name@x,y a point inside that pad or via, vN(x,y) a via of type N, cw(c..) or ccw(c..) an arc to the next point about the centre after c; other vN are vias at no path point)
+5: C1.2 C2.2 C26.2 C27.2 C31.2 C32.2 D1.A D26.1 J6.1 J6.2 R1.2 TP2.1 U2.3 U8.2 U8.11 U8.14 | length 15.8
  Top Layer w0.254: C31.2@27.35,75.65 27.387,75.687 27.387,76.787 U8.11@27.4,76.8 ; U8.14@28.9,76.8 28.9,75.739 29.1,75.539 C27.2@29.1,75.5 C27.2@29.105,75.495 ; U8.2@28.9,80.7 28.913,80.713 28.913,81.353 28.99,81.43 C26.2@28.99,82 28.99,82.74 v1(29,82.75) ; v1@29.105,74.787 v1(29.11,74.783)
  Top Layer w0.406: v1@29.105,74.787 C27.2@29.105,75.495 ; v1(34.007,66.694) 33.991,66.679 33.991,65.666 J6.1@33.975,65.65 ; D26.1@34.1,64.15 34.097,64.153 34.097,64.703 33.9,64.9 33.928,64.928 33.928,65.603 J6.1@33.975,65.65 ; v1(34.749,66.689) 34.762,66.676 34.762,65.663 J6.2@34.775,65.65 J6.1@33.975,65.65
  Top Layer w0.407: v1(26.75,73.5) v1(27.512,73.5) 27.512,73.541 27.38,73.673 C32.2@27.38,74.35 27.365,74.365 27.365,75.635 C31.2@27.35,75.65 ; v1(29,82.75) 29.012,82.762 29.613,82.762 v1(29.625,82.775) ; v1(29.11,74.783) 29.139,74.754 29.632,74.754 29.708,74.678 v1(29.749,74.678) ; U2.3@35.46,17.705 35.55,17.795 R1.2@37,17.795
  other v1: 32.75,16 33.5,16 34.25,16 32.75,16.75 33.5,16.75 34.25,16.75 32.75,17.5 33.5,17.5 34.25,17.5 35.25,23.75 36,23.75 36.75,23.75 35.25,24.5 36,24.5 36.75,24.5 37.5,24.5 38.247,24.502 35.25,25.25 36,25.25 36.75,25.25 37.5,25.25 38.247,25.252
+12: D1.K D3.K J1.1 R29.2 R30.2 TP1.1 U1.4 U1.5 U1.6 U2.1 U3.1
ALARM_EN_BUTTON: D12.1 R5.2 SW2.1 | length 58.1
  Bottom Layer w0.406: R5.2@24.5,37.5 28,37.5 29.565,39.065 29.565,40.315 29.875,40.625 42.375,40.625 42.9,41.15 42.9,58.4 41.9,59.4 33.097,59.4 32.5,58.803 32.5,56 31.75,55.25 D12.1@28.75,55.25 SW2.1@26.45,55.25
ALARM_SET_BUTTON: D11.1 R8.2 SW3.1 | length 14.1
  Bottom Layer w0.406: R8.2@24.5,38.75 27.5,38.75 27.75,39 28.75,40 28.75,42.75 28.5,43 27,43 26.45,43.55 SW3.1@26.45,45.25 26.579,45.379 28.503,45.379 D11.1@28.603,45.278
AMP_ENABLE: U4.20 U8.3 | length 56.5
  Top Layer w0.254: U4.20@18.973,42.466 18.991,42.466 19.485,41.973 19.509,41.973 20.218,41.264 21.16,41.264 22.304,42.407 22.304,42.978 v1(21.832,43.45) ; v1(28.237,82.158) 28.296,82.1 28.296,81.622 28.4,81.518 U8.3@28.4,80.7
  Bottom Layer w0.254: v1(21.832,43.45) 21.832,43.495 22.088,43.751 22.088,45.357 22.913,46.183 22.913,55.913 23.5,56.5 26.242,56.5 28.25,58.508 28.25,67 27.25,68 24.5,68 24,68.5 24,77 25.25,78.25 27.5,78.25 28.237,78.987 v1(28.237,82.158)
BUFFER_nEN: C23.2 R22.2 SW7.2 U6.1 U6.19 | length 18.5
  Top Layer w0.254: R22.2@4.443,56.413 4.443,57.638 C23.2@4.43,57.65 4.43,58.33 5.093,58.993 6.269,58.993 6.271,58.992 6.908,58.992 7.5,58.4 U6.19@7.5,57.825 ; R22.2@4.455,56.4 4.565,56.29 6.274,56.29 6.383,56.4 U6.1@7.05,56.4
  Top Layer w0.406: R22.2@4.443,56.413 R22.2@4.455,56.4 4.478,56.377 4.478,55.422 v1(4.5,55.4) ; SW7.2@5.5,47.15 v1(5.5,49.579)
  Bottom Layer w0.406: v1(4.5,55.4) 5.5,54.4 v1(5.5,49.579)
CAPTOUCH_CHANGE: U4.48 U5.5 | length 25.5
  Top Layer w0.254: U4.48@27.441,38.948 27.46,38.948 28.199,38.209 28.409,38.209 29.2,39 30.75,39 31.75,38 v1(31.75,37.25) ; v1(41.369,32.198) 41.39,32.177 41.938,32.177 42.096,32.019 42.096,31.762 42.249,31.61 U5.5@42.7,31.61
  Bottom Layer w0.254: v1(31.75,37.25) 42.5,37.25 43.25,36.5 43.25,32.75 42.696,32.196 41.371,32.196 v1(41.369,32.198)
CAPTOUCH_RESET: U4.47 U5.4 | length 28.7
  Top Layer w0.254: U4.47@27.088,38.594 28.182,37.5 28.5,37.5 29.339,38.339 29.661,38.339 v1(30.75,37.25) ; v1(41.389,30.97) 41.429,30.93 41.873,30.93 42.096,30.707 42.096,30.492 42.249,30.34 U5.4@42.7,30.34
  Bottom Layer w0.254: v1(30.75,37.25) 31.25,37.75 31.25,37.773 31.336,37.86 42.89,37.86 44,36.75 44.101,36.75 44.101,31.851 43.14,30.89 41.573,30.89 41.552,30.911 41.447,30.911 v1(41.389,30.97)
DISPLAY_BUTTON: D13.1 R4.2 SW1.1 | length 66.7
  Bottom Layer w0.406: R4.2@24.5,36.25 28.25,36.25 30.456,38.456 41.956,38.456 44,40.5 44,61.6 42.5,63.1 36.9,63.1 35.75,64.25 35.75,69.75 35.225,70.275 D13.1@28.75,70.275 ; SW1.1@26.45,70.25 26.484,70.284 D13.1@28.741,70.284